# Altium PCB LimeSDR-X3_1v2.PcbDoc (part 23 of 25) (continued)
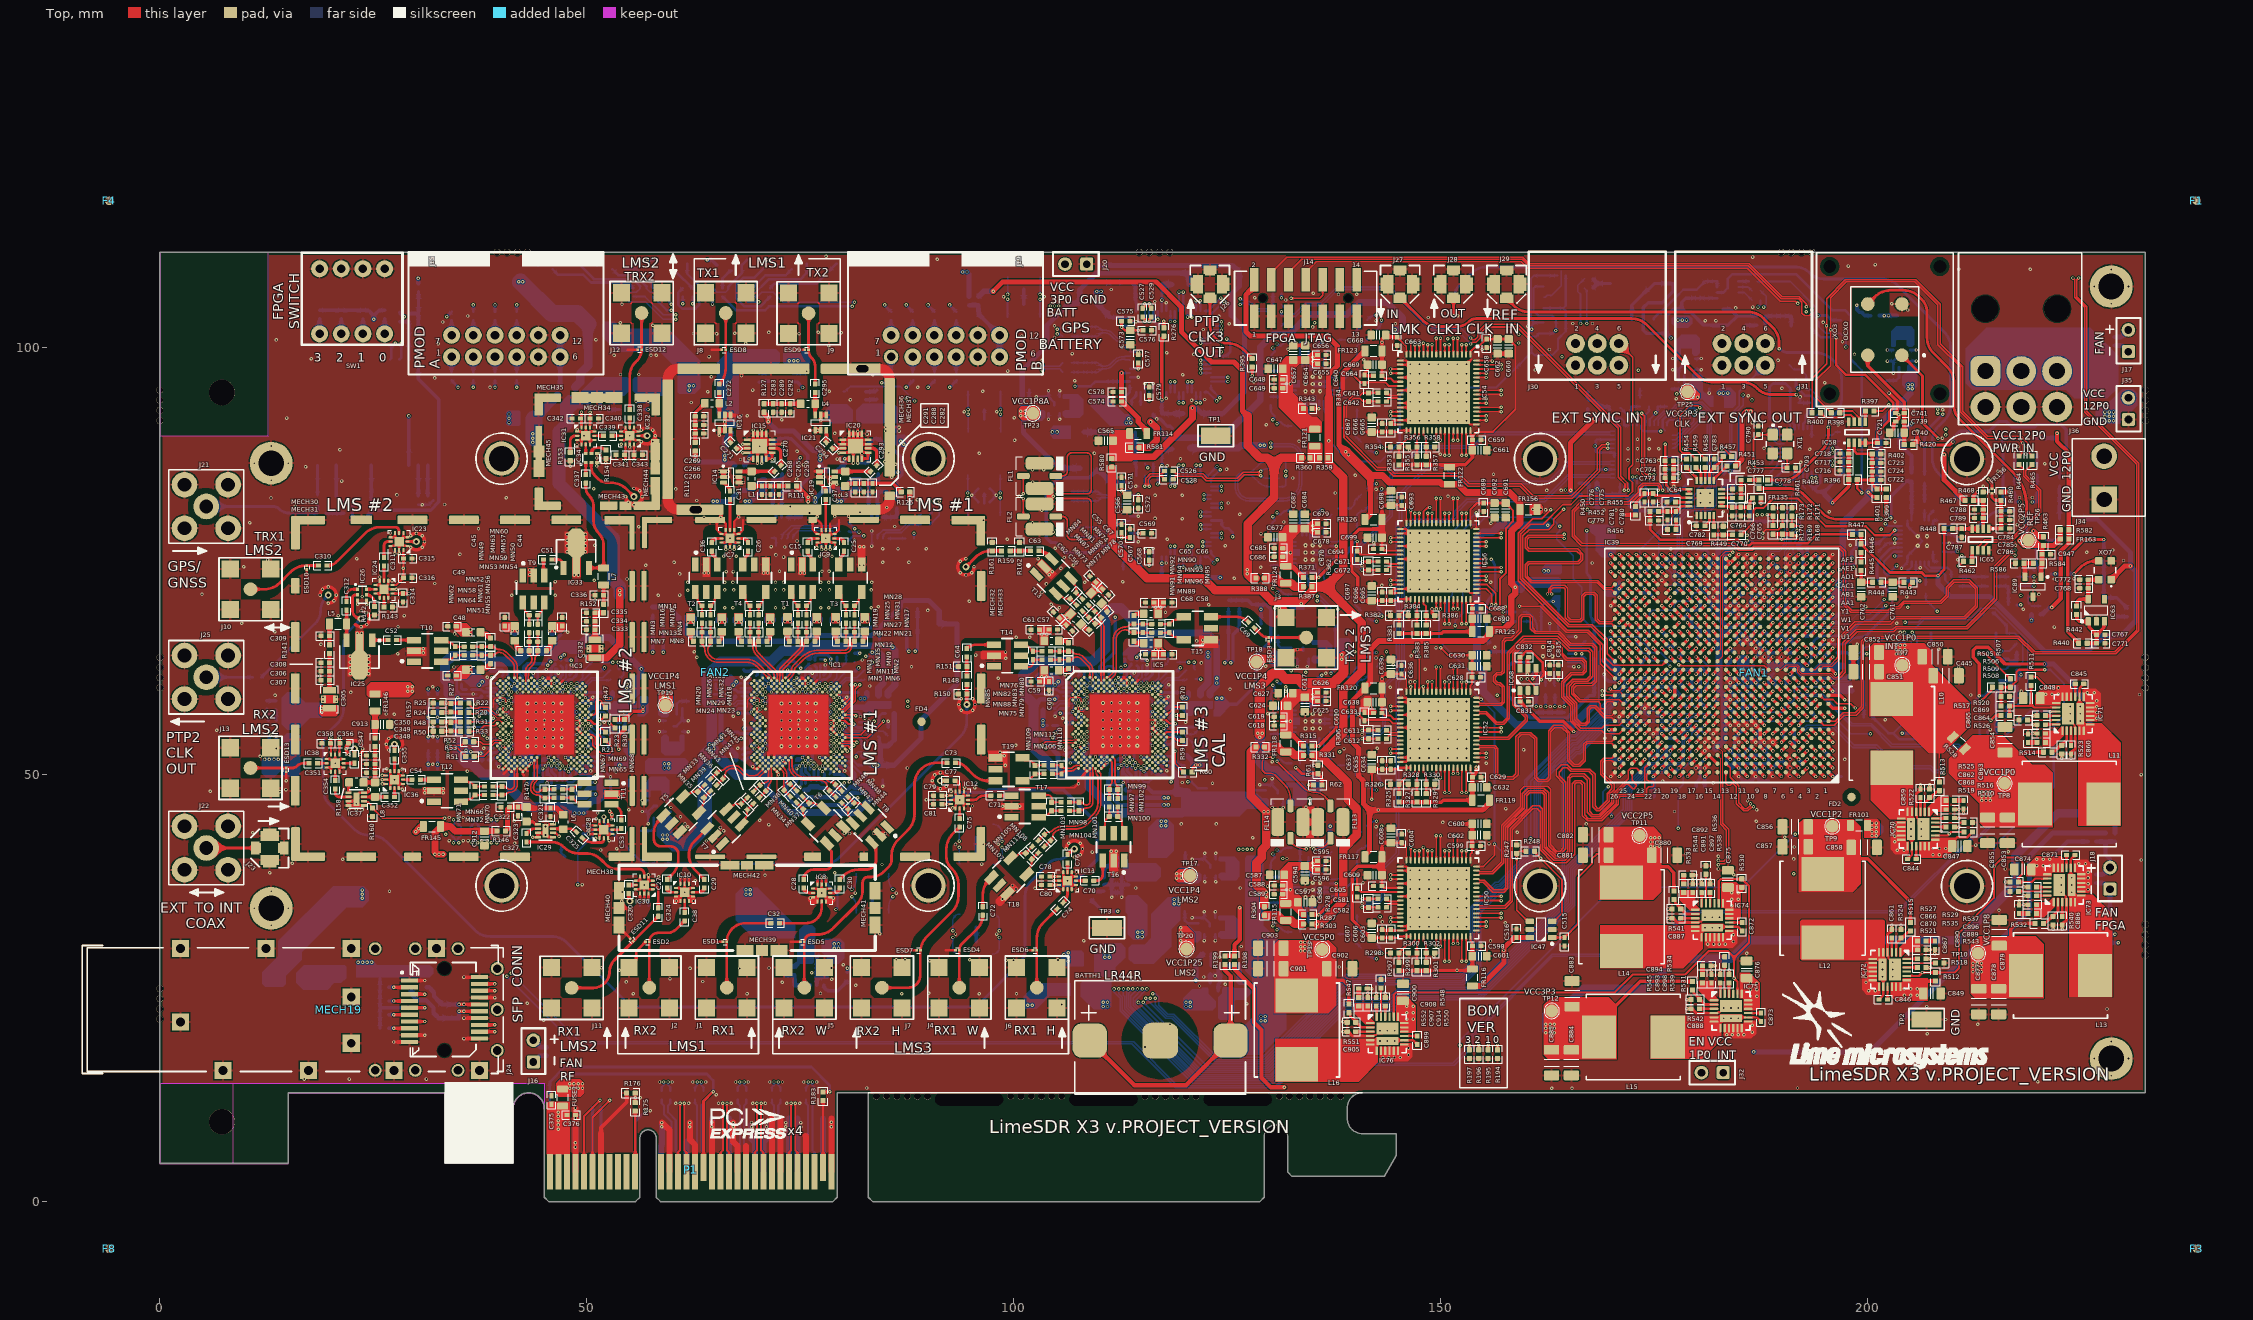
[diagram p0: Top view]
## Nets (pads, with @x,y where several pads share a name; then routed paths per layer and width w, separated by ;. In a path a pad name is that pad's centre, name@x,y a point inside that pad or via, vN(x,y) a via of type N, cw(c..) or ccw(c..) an arc to the next point about the centre after c; other vN are vias at no path point) (continued)
copper on no net:
  other v1: 159.112,100.54 159.112,101.54

## Polygon pours and split planes (outlines as drawn)
GND on L4 "GND_L04_P110" (solid, remove dead copper, pour order 110): -0.1,4.5 ccw(c0,4.5) 0,4.4 15,4.4 ccw(c15,4.5) 15.1,4.5 15.1,12.65 33.25,12.65 33.25,4.5 ccw(c33.35,4.5) 33.35,4.4 41.35,4.4 ccw(c41.35,4.5) 41.45,4.5 41.45,10.925 ccw(c41.35,10.925) 41.45,10.926 cw(c43.175,10.925) 44.9,10.925 ccw(c45,10.925) 44.9,10.924 44.9,0.5 ccw(c45,0.5) 44.929,0.429 45.429,-0.071 ccw(c45.5,0) 45.5,-0.1 55.7,-0.1 ccw(c55.7,0) 55.771,-0.071 56.271,0.429 ccw(c56.2,0.5) 56.3,0.5 56.3,7.45 cw(c57.15,7.45) 58,7.45 58,0.5 ccw(c58.1,0.5) 58.029,0.429 58.529,-0.071 ccw(c58.6,0) 58.6,-0.1 78.8,-0.1 ccw(c78.8,0) 78.871,-0.071 79.371,0.429 ccw(c79.3,0.5) 79.4,0.5 79.4,12.65 232.5,12.65 ccw(c232.5,12.75) 232.6,12.75 232.6,111.15 ccw(c232.5,111.15) 232.5,111.25 0.002,111.25 ccw(c0,111.15) -0.1,111.15
VCC12P0 on L4 "VCC12P0_L04_P056" (solid, remove dead copper, pour order 56): 218.9,14.525 226.65,22.275 226.65,40.125 231.425,44.9 231.425,90.65 226.65,95.425 216.675,95.425 215.625,94.375 215.625,91.2 220.4,86.425 220.4,73 220.4,52.15 210.35,42.1 207.275,42.1 202.1,36.925 171.325,36.925 164.775,30.375 109.575,30.375 106.2,27 54.175,27 47.45,20.275 47.45,13.175 47.875,12.75 53.275,12.75 55.05,14.525
VCC2P5 on L4 "VCC2P5_L04_P072" (solid, remove dead copper, pour order 72): 173.45,52.225 171.475,52.225 169.4,54.3 169.4,56.085 170.94,57.625 175.425,57.625 176.075,56.975 176.075,54.325 174.325,52.575 173.975,52.225 173.475,52.225
GND on L3 "GND_L03_P109" (solid, remove dead copper, pour order 109): -0.1,4.5 ccw(c0,4.5) 0,4.4 15,4.4 ccw(c15,4.5) 15.1,4.5 15.1,12.65 33.25,12.65 33.25,4.5 ccw(c33.35,4.5) 33.35,4.4 41.35,4.4 ccw(c41.35,4.5) 41.45,4.5 41.45,10.925 ccw(c41.35,10.925) 41.45,10.926 cw(c43.175,10.925) 44.9,10.925 ccw(c45,10.925) 44.9,10.924 44.9,0.5 ccw(c45,0.5) 44.929,0.429 45.429,-0.071 ccw(c45.5,0) 45.5,-0.1 55.7,-0.1 ccw(c55.7,0) 55.771,-0.071 56.271,0.429 ccw(c56.2,0.5) 56.3,0.5 56.3,7.45 cw(c57.15,7.45) 58,7.45 58,0.5 ccw(c58.1,0.5) 58.029,0.429 58.529,-0.071 ccw(c58.6,0) 58.6,-0.1 78.8,-0.1 ccw(c78.8,0) 78.871,-0.071 79.371,0.429 ccw(c79.3,0.5) 79.4,0.5 79.4,12.65 232.5,12.65 ccw(c232.5,12.75) 232.6,12.75 232.6,111.15 ccw(c232.5,111.15) 232.5,111.25 0.002,111.25 ccw(c0,111.15) -0.1,111.15
VCC1P0_INT on L3 "VCC1P0_INT_L03_P054" (solid, remove dead copper, pour order 54): 204.675,65.25 202.65,67.275 191.075,67.275 189.525,68.825 184.825,68.825 183.075,67.075 183.075,57.475 185.3,55.25 189.575,55.25 190.613,54.213 199.337,54.212 204.675,59.55
GND on L6 "GND_L06_P102" (solid, remove dead copper, pour order 102): -0.1,4.5 ccw(c0,4.5) 0,4.4 15,4.4 ccw(c15,4.5) 15.1,4.5 15.1,12.65 33.25,12.65 33.25,4.5 ccw(c33.35,4.5) 33.35,4.4 41.35,4.4 ccw(c41.35,4.5) 41.45,4.5 41.45,10.925 ccw(c41.35,10.925) 41.45,10.926 cw(c43.175,10.925) 44.9,10.925 ccw(c45,10.925) 44.9,10.924 44.9,0.5 ccw(c45,0.5) 44.929,0.429 45.429,-0.071 ccw(c45.5,0) 45.5,-0.1 55.7,-0.1 ccw(c55.7,0) 55.771,-0.071 56.271,0.429 ccw(c56.2,0.5) 56.3,0.5 56.3,7.45 cw(c57.15,7.45) 58,7.45 58,0.5 ccw(c58.1,0.5) 58.029,0.429 58.529,-0.071 ccw(c58.6,0) 58.6,-0.1 78.8,-0.1 ccw(c78.8,0) 78.871,-0.071 79.371,0.429 ccw(c79.3,0.5) 79.4,0.5 79.4,12.65 232.5,12.65 ccw(c232.5,12.75) 232.6,12.75 232.6,111.15 ccw(c232.5,111.15) 232.5,111.25 0.002,111.25 ccw(c0,111.15) -0.1,111.15
VCC1P25_LMS2 on L6 "VCC1P25_LMS2_L06_P097" (solid, remove dead copper, pour order 97): 56.175,47.3 55.25,46.375 51.35,46.375 50,45.025 48.075,45.025 47.35,45.75 47.35,48.225 50.125,51 55.475,51 56.2,50.275
VCC3P3 on L6 "VCC3P3_L06_P062" (solid, remove dead copper, pour order 62): 159.681,50.606 159.681,42.831 164.05,38.462 164.05,28.925 157.575,22.45 157.575,22.1 160.325,19.35 170.4,19.35 173.1,22.05 173.1,31.225 173.1,41.275 169.225,45.15 169.225,51.25 175.975,58 177.875,58 182.725,62.85 186.32,66.445 186.32,68.825 185.145,70 180.85,70 176.45,65.6 173.1,65.6 169.825,65.6 166.175,61.95 166.175,57.1
VCC2P5 on L6 "VCC2P5_L06_P064" (solid, remove dead copper, pour order 64): 174.375,41.15 170.05,45.475 170.05,51.4 175.975,57.325 177.75,57.325 178.725,58.3 186.95,66.525 186.95,68.7 185.35,70.3 180.725,70.3 178.725,68.3 176.25,65.825 169.45,65.825 169.05,66.225 169.05,68.65 169.05,75.275 170.95,77.175 189.594,77.175 194.2,72.569 194.2,70.45 198.375,66.275 198.375,49.225 193.175,44.025 185.275,44.025 182.4,41.15
VCC1P8_LMS3 on L6 "VCC1P8_LMS3_L06_P089" (solid, remove dead copper, pour order 89): 128.875,55.5 127,55.5 121.525,50.025 117.2,50.025 109.693,50.025 107.093,52.625 105.65,54.068 105.65,56.65 105.65,58.749 107.475,60.574 109.951,63.05 114.575,63.05 116.025,63.05 117.6,64.625 117.6,69.6 116.725,70.475 112.3,70.475 110.6,72.175 107.575,72.175 100.375,64.975 100.375,50.871 106.675,44.575 107.875,44.575 108.65,43.8 118.375,43.8 119.275,44.7 123.875,44.7 129.75,50.575 129.75,54.625
GND on L8 "GND_L08_P103" (solid, remove dead copper, pour order 103): -0.1,4.5 ccw(c0,4.5) 0,4.4 15,4.4 ccw(c15,4.5) 15.1,4.5 15.1,12.65 33.25,12.65 33.25,4.5 ccw(c33.35,4.5) 33.35,4.4 41.35,4.4 ccw(c41.35,4.5) 41.45,4.5 41.45,10.925 ccw(c41.35,10.925) 41.45,10.926 cw(c43.175,10.925) 44.9,10.925 ccw(c45,10.925) 44.9,10.924 44.9,0.5 ccw(c45,0.5) 44.929,0.429 45.429,-0.071 ccw(c45.5,0) 45.5,-0.1 55.7,-0.1 ccw(c55.7,0) 55.771,-0.071 56.271,0.429 ccw(c56.2,0.5) 56.3,0.5 56.3,7.45 cw(c57.15,7.45) 58,7.45 58,0.5 ccw(c58.1,0.5) 58.029,0.429 58.529,-0.071 ccw(c58.6,0) 58.6,-0.1 78.8,-0.1 ccw(c78.8,0) 78.871,-0.071 79.371,0.429 ccw(c79.3,0.5) 79.4,0.5 79.4,12.65 232.5,12.65 ccw(c232.5,12.75) 232.6,12.75 232.6,111.15 ccw(c232.5,111.15) 232.5,111.25 0.002,111.25 ccw(c0,111.15) -0.1,111.15
VCC1P8_LMS2 on L8 "VCC1P8_LMS2_L08_P095" (solid, remove dead copper, pour order 95): 129.9,20.925 130.575,21.6 130.575,29.8 123.675,36.7 109.875,36.7 107.65,34.475 88.6,34.475 81.875,41.2 71.05,41.2 67.2,45.05 50.2,45.05 45.95,49.3 43.975,49.3 42.188,51.088 40.962,51.087 39.288,52.763 39.288,55.662 38.66,56.29 38.66,62.435 39.525,63.3 44.725,63.3 47,65.575 47,68.125 45.975,69.15 35.9,69.15 32.8,66.05 32.8,49.45 35.95,46.3 38.35,46.3 39.038,45.612 41.112,45.612 48.725,38 55.775,38 61.5,32.275 82.1,32.275 85.075,29.3 110.525,29.3 113.85,32.625 115.675,32.625 116.9,31.4 116.9,29.975 120.6,26.275 123.1,26.275 128.45,20.925
FPGA_MGTAVCC on L8 "FPGA_MGTAVCC_L08_P070" (solid, remove dead copper, pour order 70): 187.725,52.15 188.35,52.775 188.35,54.426 188.35,55.15 187.45,56.05 187.45,67.375 188.6,68.525 188.6,72.225 188.6,72.675 188.025,73.25 182.998,73.25 182.3,72.552 182.3,56.525 182.3,53.975 184.125,52.15
VCC1P8 on L8 "VCC1P8_L08_P068" (solid, remove dead copper, pour order 68): 187.6,66.971 188.229,67.6 192.825,67.6 194,66.425 199.85,66.425 212.7,53.575 212.7,46.775 213.625,45.85 217.8,45.85 222.55,41.1 222.55,31.4 217.425,26.275 210.625,26.275 201.6,35.3 201.6,44.75 198.2,48.15 190.275,48.15 189.075,49.35 189.075,52.5 189.075,54.75 187.6,56.225
GND on Bottom "GND_L12_P117" (solid, remove dead copper, pour order 117): -0.1,4.5 ccw(c0,4.5) 0,4.4 15,4.4 ccw(c15,4.5) 15.1,4.5 15.1,12.65 33.25,12.65 33.25,4.5 ccw(c33.35,4.5) 33.35,4.4 41.35,4.4 ccw(c41.35,4.5) 41.45,4.5 41.45,10.925 ccw(c41.35,10.925) 41.45,10.926 cw(c43.175,10.925) 44.9,10.925 ccw(c45,10.925) 44.9,10.924 44.9,0.5 ccw(c45,0.5) 44.929,0.429 45.429,-0.071 ccw(c45.5,0) 45.5,-0.1 55.7,-0.1 ccw(c55.7,0) 55.771,-0.071 56.271,0.429 ccw(c56.2,0.5) 56.3,0.5 56.3,7.45 cw(c57.15,7.45) 58,7.45 58,0.5 ccw(c58.1,0.5) 58.029,0.429 58.529,-0.071 ccw(c58.6,0) 58.6,-0.1 78.8,-0.1 ccw(c78.8,0) 78.871,-0.071 79.371,0.429 ccw(c79.3,0.5) 79.4,0.5 79.4,12.65 232.5,12.65 ccw(c232.5,12.75) 232.6,12.75 232.6,111.15 ccw(c232.5,111.15) 232.5,111.25 0.002,111.25 ccw(c0,111.15) -0.1,111.15
VCC5P0_RF1 on Bottom "VCC5P0_RF1_L12_P078" (solid, remove dead copper, pour order 78): 74.7,97.55 76,97.55 76.3,97.25 76.3,96.7 75.575,95.975 75.575,92.375 76.8,91.15 78.575,91.15 78.575,93.325 77.95,93.95 77.95,95.075 78.675,95.8 78.675,98.35 77.25,99.775 74.7,99.775
VCC1P0 on Bottom "VCC1P0_L12_P086" (solid, remove dead copper, pour order 86): 214.175,48.675 214.8,48.05 214.8,45.825 213.925,44.95 191.45,44.95 189.925,43.425 185.25,43.425 184.325,43.425 182.725,45.025 182.725,48.4 183.075,48.75 184.575,48.75 202.911,48.75 203.586,49.425 204.061,49.9 209.3,49.9 212.95,49.9
FPGA_MGTAVCC on Bottom "FPGA_MGTAVCC_L12_P082" (solid, remove dead copper, pour order 82): 183.766,49.95 184.575,49.95 184.575,50.759 184.941,51.125 185.25,51.125 185.525,51.4 185.525,52.1 185.525,52.315 186.185,52.975 186.21,53 187.35,53 187.525,53.175 187.525,54.425 186.625,55.325 184.65,55.325 184.15,54.825 184.15,53.776 183.15,52.776 183.15,51.683 183.15,49.95
GND on L10 "GND_L10_P113" (solid, remove dead copper, pour order 113): -0.1,4.5 ccw(c0,4.5) 0,4.4 15,4.4 ccw(c15,4.5) 15.1,4.5 15.1,12.65 33.25,12.65 33.25,4.5 ccw(c33.35,4.5) 33.35,4.4 41.35,4.4 ccw(c41.35,4.5) 41.45,4.5 41.45,10.925 ccw(c41.35,10.925) 41.45,10.926 cw(c43.175,10.925) 44.9,10.925 ccw(c45,10.925) 44.9,10.924 44.9,0.5 ccw(c45,0.5) 44.929,0.429 45.429,-0.071 ccw(c45.5,0) 45.5,-0.1 55.7,-0.1 ccw(c55.7,0) 55.771,-0.071 56.271,0.429 ccw(c56.2,0.5) 56.3,0.5 56.3,7.45 cw(c57.15,7.45) 58,7.45 58,0.5 ccw(c58.1,0.5) 58.029,0.429 58.529,-0.071 ccw(c58.6,0) 58.6,-0.1 78.8,-0.1 ccw(c78.8,0) 78.871,-0.071 79.371,0.429 ccw(c79.3,0.5) 79.4,0.5 79.4,12.65 232.5,12.65 ccw(c232.5,12.75) 232.6,12.75 232.6,111.15 ccw(c232.5,111.15) 232.5,111.25 0.002,111.25 ccw(c0,111.15) -0.1,111.15
VDIO_LMS on L10 "VDIO_LMS_L10_P091" (solid, remove dead copper, pour order 91): 107.7,30.7 111.675,34.675 114.6,34.675 116.75,36.825 116.75,40.1 125.225,48.575 125.225,58.4 123.275,60.35 116.8,60.35 114.7,58.25 114.7,46.175 107.95,39.425 98.7,39.425 90.075,48.05 90.075,57.575 87.75,59.9 78.525,59.9 77.05,58.425 77.05,52.75 79.825,49.975 82.05,49.975 83.05,48.975 83.05,45.207 72.768,34.925 68.35,34.925 58,45.275 58,58.6 56.975,59.625 48.85,59.625 47.475,58.25 47.475,44.575 66.825,25.225 90.775,25.225 91.35,24.65 104.625,24.65 107.7,27.725
VCC1P8_LMS1 on L10 "VCC1P8_LMS1_L10_P093" (solid, remove dead copper, pour order 93): 71.15,35.75 76.825,41.425 77.525,41.425 82,45.9 82,48.35 80.825,49.525 72.125,49.525 69.175,52.475 69.175,59.425 71.525,61.775 75.15,61.775 78.7,65.325 81.525,65.325 83.85,67.65 83.85,69.75 83.175,70.425 60.975,70.425 58.85,68.3 58.85,45.275 68.375,35.75
VCC3P3 on L10 "VCC3P3_L10_P085" (solid, remove dead copper, pour order 85): 163.925,21.525 163.925,17.8 162.95,16.825 159.625,13.5 119.2,13.5 117.15,15.55 110.722,15.55 107.75,18.522 107.75,23.975 109.775,26 120.225,26 122.129,24.095 161.354,24.095
FPGA_MGTAVTT on L10 "FPGA_MGTAVTT_L10_P076" (solid, remove dead copper, pour order 76): 201.2,45.05 200.275,45.975 197.875,45.975 183.05,60.8 183.05,68.15 183.05,69.425 183.775,70.15 188.05,70.15 190.575,72.675 190.575,74.609 189.634,75.55 177.85,75.55 177.15,74.85 175.1,72.8 175.1,49.325 177.325,47.1 180.45,43.975 186.175,43.975 191.175,38.975 197.325,38.975 198.8,38.975 201.3,41.475 201.3,44.95
VDIO_LMS_FPGA on L10 "VDIO_LMS_FPGA_L10_P087" (solid, remove dead copper, pour order 87): 198.15,69.775 201.9,66.025 203.525,66.025 204.775,66.025 211.65,59.15 215.475,55.325 215.475,28.125 213.425,26.075 175.05,26.075 168.075,33.05 113.181,33.05 110.45,30.319 110.45,27.75 111.594,26.606 122.306,26.606 124.075,24.837 163.187,24.837 171.7,16.325 218.875,16.325 225.9,23.35 225.9,59.125 216.475,68.55 208.65,76.375 197.375,76.375 196.75,75.75 192.175,75.75 191.1,74.675 191.1,70.55 191.875,69.775
VCC2P5 on L10 "VCC2P5_L10_P083" (solid, remove dead copper, pour order 83): 175.833,42.617 175.833,38.458 171.725,34.35 170.95,33.575 118.975,33.575 117.925,34.625 117.925,39.925 122.85,44.85 133.725,44.85 139.2,50.325 163.75,50.325 167.85,46.225 172.225,46.225
VCC1P0 on L10 "VCC1P0_L10_P074" (solid, remove dead copper, pour order 74): 214.95,51.7 197.275,69.375 183.7,69.375 183.4,69.075 183.4,61.675 198.725,46.35 212.65,46.35 214.625,46.35 214.95,46.675
GND on L2 "GND_L02_P108" (solid, pour order 108): -0.1,4.5 ccw(c0,4.5) 0,4.4 15,4.4 ccw(c15,4.5) 15.1,4.5 15.1,12.65 33.25,12.65 33.25,4.5 ccw(c33.35,4.5) 33.35,4.4 41.35,4.4 ccw(c41.35,4.5) 41.45,4.5 41.45,10.925 ccw(c41.35,10.925) 41.45,10.926 cw(c43.175,10.925) 44.9,10.925 ccw(c45,10.925) 44.9,10.924 44.9,0.5 ccw(c45,0.5) 44.929,0.429 45.429,-0.071 ccw(c45.5,0) 45.5,-0.1 55.7,-0.1 ccw(c55.7,0) 55.771,-0.071 56.271,0.429 ccw(c56.2,0.5) 56.3,0.5 56.3,7.45 cw(c57.15,7.45) 58,7.45 58,0.5 ccw(c58.1,0.5) 58.029,0.429 58.529,-0.071 ccw(c58.6,0) 58.6,-0.1 78.8,-0.1 ccw(c78.8,0) 78.871,-0.071 79.371,0.429 ccw(c79.3,0.5) 79.4,0.5 79.4,12.65 232.5,12.65 ccw(c232.5,12.75) 232.6,12.75 232.6,111.15 ccw(c232.5,111.15) 232.5,111.25 0.002,111.25 ccw(c0,111.15) -0.1,111.15
GND on L2 "GND_L02_P106" (solid, remove dead copper, pour order 106): -0.1,4.5 ccw(c0,4.5) 0,4.4 15,4.4 ccw(c15,4.5) 15.1,4.5 15.1,12.65 33.25,12.65 33.25,4.5 ccw(c33.35,4.5) 33.35,4.4 41.35,4.4 ccw(c41.35,4.5) 41.45,4.5 41.45,10.925 ccw(c41.35,10.925) 41.45,10.926 cw(c43.175,10.925) 44.9,10.925 ccw(c45,10.925) 44.9,10.924 44.9,0.5 ccw(c45,0.5) 44.929,0.429 45.429,-0.071 ccw(c45.5,0) 45.5,-0.1 55.7,-0.1 ccw(c55.7,0) 55.771,-0.071 56.271,0.429 ccw(c56.2,0.5) 56.3,0.5 56.3,7.45 cw(c57.15,7.45) 58,7.45 58,0.5 ccw(c58.1,0.5) 58.029,0.429 58.529,-0.071 ccw(c58.6,0) 58.6,-0.1 78.8,-0.1 ccw(c78.8,0) 78.871,-0.071 79.371,0.429 ccw(c79.3,0.5) 79.4,0.5 79.4,12.65 232.5,12.65 ccw(c232.5,12.75) 232.6,12.75 232.6,111.15 ccw(c232.5,111.15) 232.5,111.25 0.002,111.25 ccw(c0,111.15) -0.1,111.15
GND on L2 "GND_L02_P105" (solid, pour order 105): -0.1,4.5 ccw(c0,4.5) 0,4.4 15,4.4 ccw(c15,4.5) 15.1,4.5 15.1,12.65 33.25,12.65 33.25,4.5 ccw(c33.35,4.5) 33.35,4.4 41.35,4.4 ccw(c41.35,4.5) 41.45,4.5 41.45,10.925 ccw(c41.35,10.925) 41.45,10.926 cw(c43.175,10.925) 44.9,10.925 ccw(c45,10.925) 44.9,10.924 44.9,0.5 ccw(c45,0.5) 44.929,0.429 45.429,-0.071 ccw(c45.5,0) 45.5,-0.1 55.7,-0.1 ccw(c55.7,0) 55.771,-0.071 56.271,0.429 ccw(c56.2,0.5) 56.3,0.5 56.3,7.45 cw(c57.15,7.45) 58,7.45 58,0.5 ccw(c58.1,0.5) 58.029,0.429 58.529,-0.071 ccw(c58.6,0) 58.6,-0.1 78.8,-0.1 ccw(c78.8,0) 78.871,-0.071 79.371,0.429 ccw(c79.3,0.5) 79.4,0.5 79.4,12.65 232.5,12.65 ccw(c232.5,12.75) 232.6,12.75 232.6,111.15 ccw(c232.5,111.15) 232.5,111.25 0.002,111.25 ccw(c0,111.15) -0.1,111.15
GND on L2 "GND_L02_P102" (solid, pour order 104): -0.1,4.5 ccw(c0,4.5) 0,4.4 15,4.4 ccw(c15,4.5) 15.1,4.5 15.1,12.65 33.25,12.65 33.25,4.5 ccw(c33.35,4.5) 33.35,4.4 41.35,4.4 ccw(c41.35,4.5) 41.45,4.5 41.45,10.925 ccw(c41.35,10.925) 41.45,10.926 cw(c43.175,10.925) 44.9,10.925 ccw(c45,10.925) 44.9,10.924 44.9,0.5 ccw(c45,0.5) 44.929,0.429 45.429,-0.071 ccw(c45.5,0) 45.5,-0.1 55.7,-0.1 ccw(c55.7,0) 55.771,-0.071 56.271,0.429 ccw(c56.2,0.5) 56.3,0.5 56.3,7.45 cw(c57.15,7.45) 58,7.45 58,0.5 ccw(c58.1,0.5) 58.029,0.429 58.529,-0.071 ccw(c58.6,0) 58.6,-0.1 78.8,-0.1 ccw(c78.8,0) 78.871,-0.071 79.371,0.429 ccw(c79.3,0.5) 79.4,0.5 79.4,12.65 232.5,12.65 ccw(c232.5,12.75) 232.6,12.75 232.6,111.15 ccw(c232.5,111.15) 232.5,111.25 0.002,111.25 ccw(c0,111.15) -0.1,111.15
GND on L9 "GND_L09_P099" (solid, remove dead copper, pour order 99): -0.1,4.5 ccw(c0,4.5) 0,4.4 15,4.4 ccw(c15,4.5) 15.1,4.5 15.1,12.65 33.25,12.65 33.25,4.5 ccw(c33.35,4.5) 33.35,4.4 41.35,4.4 ccw(c41.35,4.5) 41.45,4.5 41.45,10.925 ccw(c41.35,10.925) 41.45,10.926 cw(c43.175,10.925) 44.9,10.925 ccw(c45,10.925) 44.9,10.924 44.9,0.5 ccw(c45,0.5) 44.929,0.429 45.429,-0.071 ccw(c45.5,0) 45.5,-0.1 55.7,-0.1 ccw(c55.7,0) 55.771,-0.071 56.271,0.429 ccw(c56.2,0.5) 56.3,0.5 56.3,7.45 cw(c57.15,7.45) 58,7.45 58,0.5 ccw(c58.1,0.5) 58.029,0.429 58.529,-0.071 ccw(c58.6,0) 58.6,-0.1 78.8,-0.1 ccw(c78.8,0) 78.871,-0.071 79.371,0.429 ccw(c79.3,0.5) 79.4,0.5 79.4,12.65 232.5,12.65 ccw(c232.5,12.75) 232.6,12.75 232.6,111.15 ccw(c232.5,111.15) 232.5,111.25 0.002,111.25 ccw(c0,111.15) -0.1,111.15
GND on L7 "GND_L07_P100" (solid, remove dead copper, pour order 100): -0.1,4.5 ccw(c0,4.5) 0,4.4 15,4.4 ccw(c15,4.5) 15.1,4.5 15.1,12.65 33.25,12.65 33.25,4.5 ccw(c33.35,4.5) 33.35,4.4 41.35,4.4 ccw(c41.35,4.5) 41.45,4.5 41.45,10.925 ccw(c41.35,10.925) 41.45,10.926 cw(c43.175,10.925) 44.9,10.925 ccw(c45,10.925) 44.9,10.924 44.9,0.5 ccw(c45,0.5) 44.929,0.429 45.429,-0.071 ccw(c45.5,0) 45.5,-0.1 55.7,-0.1 ccw(c55.7,0) 55.771,-0.071 56.271,0.429 ccw(c56.2,0.5) 56.3,0.5 56.3,7.45 cw(c57.15,7.45) 58,7.45 58,0.5 ccw(c58.1,0.5) 58.029,0.429 58.529,-0.071 ccw(c58.6,0) 58.6,-0.1 78.8,-0.1 ccw(c78.8,0) 78.871,-0.071 79.371,0.429 ccw(c79.3,0.5) 79.4,0.5 79.4,12.65 232.5,12.65 ccw(c232.5,12.75) 232.6,12.75 232.6,111.15 ccw(c232.5,111.15) 232.5,111.25 0.002,111.25 ccw(c0,111.15) -0.1,111.15
GND on L5 "GND_L05_P101" (solid, remove dead copper, pour order 101): -0.1,4.5 ccw(c0,4.5) 0,4.4 15,4.4 ccw(c15,4.5) 15.1,4.5 15.1,12.65 33.25,12.65 33.25,4.5 ccw(c33.35,4.5) 33.35,4.4 41.35,4.4 ccw(c41.35,4.5) 41.45,4.5 41.45,10.925 ccw(c41.35,10.925) 41.45,10.926 cw(c43.175,10.925) 44.9,10.925 ccw(c45,10.925) 44.9,10.924 44.9,0.5 ccw(c45,0.5) 44.929,0.429 45.429,-0.071 ccw(c45.5,0) 45.5,-0.1 55.7,-0.1 ccw(c55.7,0) 55.771,-0.071 56.271,0.429 ccw(c56.2,0.5) 56.3,0.5 56.3,7.45 cw(c57.15,7.45) 58,7.45 58,0.5 ccw(c58.1,0.5) 58.029,0.429 58.529,-0.071 ccw(c58.6,0) 58.6,-0.1 78.8,-0.1 ccw(c78.8,0) 78.871,-0.071 79.371,0.429 ccw(c79.3,0.5) 79.4,0.5 79.4,12.65 232.5,12.65 ccw(c232.5,12.75) 232.6,12.75 232.6,111.15 ccw(c232.5,111.15) 232.5,111.25 0.002,111.25 ccw(c0,111.15) -0.1,111.15
GND on Top "GND_L01_P105" (solid, remove dead copper, pour order 107): -0.1,4.5 ccw(c0,4.5) 0,4.4 15,4.4 ccw(c15,4.5) 15.1,4.5 15.1,12.65 33.25,12.65 33.25,4.5 ccw(c33.35,4.5) 33.35,4.4 41.35,4.4 ccw(c41.35,4.5) 41.45,4.5 41.45,10.925 ccw(c41.35,10.925) 41.45,10.926 cw(c43.175,10.925) 44.9,10.925 ccw(c45,10.925) 44.9,10.924 44.9,0.5 ccw(c45,0.5) 44.929,0.429 45.429,-0.071 ccw(c45.5,0) 45.5,-0.1 55.7,-0.1 ccw(c55.7,0) 55.771,-0.071 56.271,0.429 ccw(c56.2,0.5) 56.3,0.5 56.3,7.45 cw(c57.15,7.45) 58,7.45 58,0.5 ccw(c58.1,0.5) 58.029,0.429 58.529,-0.071 ccw(c58.6,0) 58.6,-0.1 78.8,-0.1 ccw(c78.8,0) 78.871,-0.071 79.371,0.429 ccw(c79.3,0.5) 79.4,0.5 79.4,12.65 232.5,12.65 ccw(c232.5,12.75) 232.6,12.75 232.6,111.15 ccw(c232.5,111.15) 232.5,111.25 0.002,111.25 ccw(c0,111.15) -0.1,111.15
GND on L11 "GND_L11_P111" (solid, remove dead copper, pour order 111): -0.1,4.5 ccw(c0,4.5) 0,4.4 15,4.4 ccw(c15,4.5) 15.1,4.5 15.1,12.65 33.25,12.65 33.25,4.5 ccw(c33.35,4.5) 33.35,4.4 41.35,4.4 ccw(c41.35,4.5) 41.45,4.5 41.45,10.925 ccw(c41.35,10.925) 41.45,10.926 cw(c43.175,10.925) 44.9,10.925 ccw(c45,10.925) 44.9,10.924 44.9,0.5 ccw(c45,0.5) 44.929,0.429 45.429,-0.071 ccw(c45.5,0) 45.5,-0.1 55.7,-0.1 ccw(c55.7,0) 55.771,-0.071 56.271,0.429 ccw(c56.2,0.5) 56.3,0.5 56.3,7.45 cw(c57.15,7.45) 58,7.45 58,0.5 ccw(c58.1,0.5) 58.029,0.429 58.529,-0.071 ccw(c58.6,0) 58.6,-0.1 78.8,-0.1 ccw(c78.8,0) 78.871,-0.071 79.371,0.429 ccw(c79.3,0.5) 79.4,0.5 79.4,12.65 232.5,12.65 ccw(c232.5,12.75) 232.6,12.75 232.6,111.15 ccw(c232.5,111.15) 232.5,111.25 0.002,111.25 ccw(c0,111.15) -0.1,111.15

## Keep-outs
Top:
  rectangle: 0,89.7 12.7,111.1
  region: 0,4.45 15,4.45 ccw(c15,4.5) 15.05,4.5 15.05,12.7 33.3,12.7 33.3,7.95 ccw(c33.35,7.95) 33.35,7.9 41.35,7.9 ccw(c41.35,7.95) 41.4,7.95 ccw(c41.35,7.95) 41.4,7.951 41.4,10.925 cw(c43.175,10.925) 44.95,10.925 ccw(c45,10.925) 45.05,10.925 45.05,13.75 ccw(c45,13.75) 45,13.8 0,13.8 ccw(c0,13.75) -0.05,13.75 -0.05,4.5 ccw(c0,4.5)
  region: 8.525,4.45 15,4.45 ccw(c15,4.5) 15.05,4.5 15.05,12.7 33.3,12.7 33.3,7.95 ccw(c33.35,7.95) 33.35,7.9 41.35,7.9 ccw(c41.35,7.95) 41.4,7.95 41.4,10.925 cw(c43.175,10.925) 44.95,10.925 ccw(c45,10.925) 45.05,10.925 45.05,13.75 ccw(c45,13.75) 45,13.8 8.525,13.8
  region: 8.525,4.45 15,4.45 ccw(c15,4.5) 15.05,4.5 15.05,12.7 33.3,12.7 33.3,7.95 ccw(c33.35,7.95) 33.35,7.9 41.35,7.9 ccw(c41.35,7.95) 41.4,7.95 41.4,10.925 cw(c43.175,10.925) 44.95,10.925 ccw(c45,10.925) 45.05,10.925 45.05,13.75 ccw(c45,13.75) 45,13.8 8.525,13.8
Bottom:
  rectangle: 0,89.7 12.7,111.075

## Other copper
Top:
  drawing of 278 lines, arcs and shapes, not listed